# KiCad board Panel2.kicad_pcb (continued)
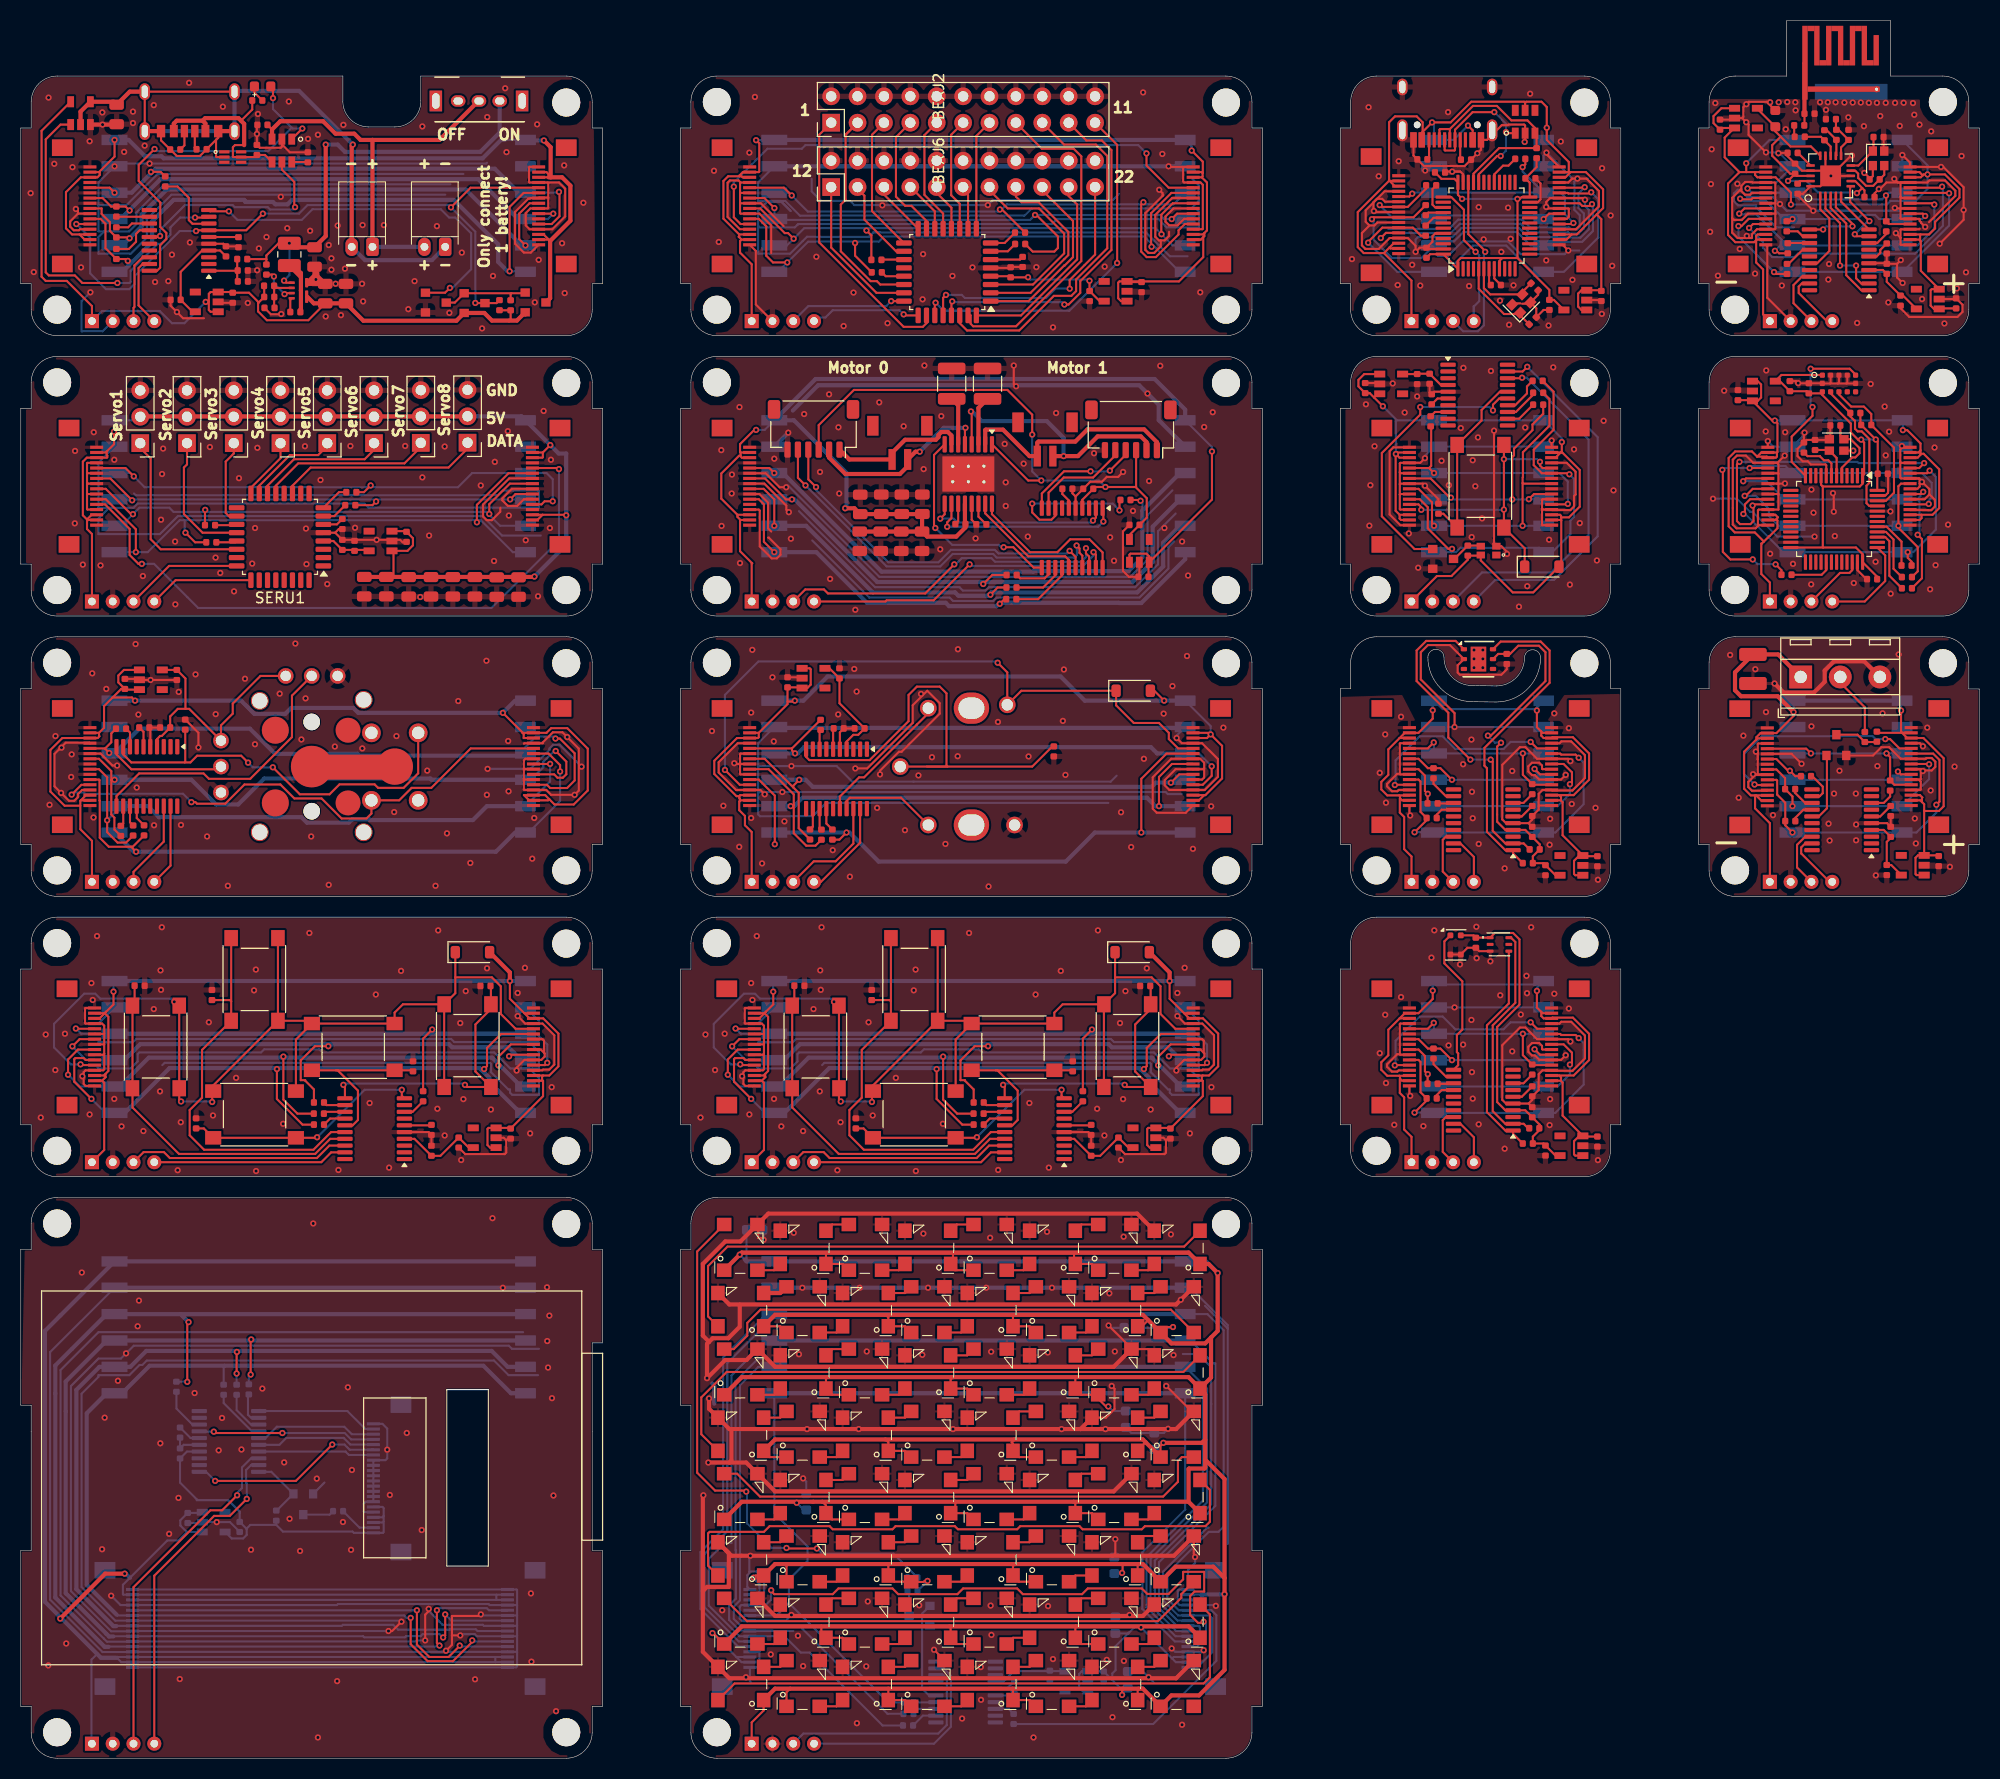
[diagram p0: board, top side]
## Nets (continued)
SCR_S_MISO: SCRU3.10
SCR_S_MOSI: SCRJ3.2 SCRU3.11
SCR_S_SCK: SCRJ3.6 SCRU3.1
SCR_SCLK: SCRJ1.4 SCRJ2.3 SCRJ5.7 SCRJ6.7 SCRR3.2
SCR_SWDCLK: SCRJ4.4 SCRU3.19
SCR_SWDIO: SCRJ4.3 SCRU3.18
SCR_TE: SCRJ3.4 SCRU3.7
SCR_unconnected-(U2-NC-Pad4): SCRU2.4
SCR_VDD: SCRC2.1 SCRC9.1 SCRJ3.17 SCRJ3.19 SCRJ3.20 SCRJ3.22 SCRR7.2 SCRU2.5 SCRU3.4
SER_5V: SERC5.1 SERC6.1 SERC7.1 SERC8.1 SERC10.1 SERC11.1 SERC12.1 SERC13.1 SERC14.1 SERJ1.1 SERJ2.2 SERJ3.6 SERJ4.1 SERJ5.2 SERJ6.2 SERJ7.2 SERJ8.2 SERJ9.2 SERJ10.2 SERJ11.2 SERJ12.2 SERJ12.3 SERJ12.14 SERJ12.15 SERJ13.2 SERJ13.3 SERJ13.14 SERJ13.15 SERU2.1 SERU2.3
SER_GND: SERC3.2 SERC4.2 SERC5.2 SERC6.2 SERC7.2 SERC8.2 SERC9.2 SERC10.2 SERC11.2 SERC12.2 SERC13.2 SERC14.2 SERJ1.2 SERJ2.3 SERJ3.5 SERJ4.2 SERJ5.3 SERJ6.3 SERJ7.3 SERJ8.3 SERJ9.3 SERJ10.3 SERJ11.3 SERJ12.1 SERJ12.4 SERJ12.6 SERJ12.8 SERJ12.10 SERJ12.13 SERJ12.16 SERJ13.1 SERJ13.4 SERJ13.6 SERJ13.8 SERJ13.10 SERJ13.13 SERJ13.16 SERU1.5 SERU2.2
SER_Interrupt5V: SERJ12.12 SERJ13.12
SER_MISO: SERJ1.5 SERJ3.2 SERJ12.9 SERJ13.9 SERR7.2
SER_MOSI: SERJ1.6 SERJ3.1 SERJ12.11 SERJ13.11 SERR8.2
SER_Net-(U1-NRST): SERC4.1 SERU1.6
SER_Net-(U1-PA0): SERR5.1 SERU1.7
SER_Net-(U1-PA1): SERR6.1 SERU1.8
SER_Net-(U1-PA9/NC): SERR7.1 SERU1.19
SER_Net-(U1-PA10/NC): SERR8.1 SERU1.21
SER_PS: SERJ1.3 SERJ3.4 SERJ12.5 SERJ13.5 SERR6.2
SER_PWM1: SERJ2.1 SERU1.22
SER_PWM2: SERJ5.1 SERU1.20
SER_PWM3: SERJ6.1 SERU1.18
SER_PWM4: SERJ7.1 SERU1.16
SER_PWM5: SERJ8.1 SERU1.15
SER_PWM6: SERJ9.1 SERU1.14
SER_PWM7: SERJ10.1 SERU1.13
SER_PWM8: SERJ11.1 SERU1.11
SER_PWM9: SERU1.27
SER_PWM10: SERU1.30
SER_SCLK: SERJ1.4 SERJ3.3 SERJ12.7 SERJ13.7 SERR5.2
SER_SWDCLK: SERJ4.4 SERU1.25
SER_SWDIO: SERJ4.3 SERU1.24
SER_unconnected-(U1-PA2-Pad9): SERU1.9
SER_unconnected-(U1-PA3-Pad10): SERU1.10
SER_unconnected-(U1-PA5-Pad12): SERU1.12
SER_unconnected-(U1-PA12/PA10-Pad23): SERU1.23
SER_unconnected-(U1-PA15-Pad26): SERU1.26
SER_unconnected-(U1-PB2-Pad17): SERU1.17
SER_unconnected-(U1-PB4-Pad28): SERU1.28
SER_unconnected-(U1-PB5-Pad29): SERU1.29
SER_unconnected-(U1-PB7-Pad31): SERU1.31
SER_unconnected-(U1-PB8-Pad32): SERU1.32
SER_unconnected-(U1-PB9-Pad1): SERU1.1
SER_unconnected-(U1-PC14-Pad2): SERU1.2
SER_unconnected-(U1-PC15-Pad3): SERU1.3
SER_unconnected-(U2-NC-Pad4): SERU2.4
SER_VDD: SERC3.1 SERC9.1 SERU1.4 SERU2.5
TMP_5V: TMPC8.1 TMPJ1.1 TMPJ2.6 TMPJ3.2 TMPJ3.3 TMPJ3.14 TMPJ3.15 TMPJ4.1 TMPJ5.2 TMPJ5.3 TMPJ5.14 TMPJ5.15 TMPU2.1 TMPU2.3
TMP_/DAP: TMPU1.7
TMP_GND: TMPC1.2 TMPC2.2 TMPC3.2 TMPC8.2 TMPC9.2 TMPJ1.2 TMPJ2.5 TMPJ3.1 TMPJ3.4 TMPJ3.6 TMPJ3.8 TMPJ3.10 TMPJ3.13 TMPJ3.16 TMPJ4.2 TMPJ5.1 TMPJ5.4 TMPJ5.6 TMPJ5.8 TMPJ5.10 TMPJ5.13 TMPJ5.16 TMPU1.2 TMPU2.2 TMPU3.5
TMP_Interrupt5V: TMPJ3.12 TMPJ5.12
TMP_MISO: TMPJ1.5 TMPJ2.2 TMPJ3.9 TMPJ5.9 TMPR4.2
TMP_MOSI: TMPJ1.6 TMPJ2.1 TMPJ3.11 TMPJ5.11 TMPR2.2
TMP_Net-(U3-NRST): TMPC1.1 TMPU3.6
TMP_Net-(U3-PA1): TMPR1.1 TMPU3.8
TMP_Net-(U3-PA5): TMPR3.1 TMPU3.12
TMP_Net-(U3-PA6): TMPR4.1 TMPU3.13
TMP_Net-(U3-PA7): TMPR2.1 TMPU3.14
TMP_PS: TMPJ1.3 TMPJ2.4 TMPJ3.5 TMPJ5.5 TMPR1.2
TMP_SCL: TMPR6.2 TMPU1.6 TMPU3.1
TMP_SCLK: TMPJ1.4 TMPJ2.3 TMPJ3.7 TMPJ5.7 TMPR3.2
TMP_SDA: TMPR5.2 TMPU1.1 TMPU3.2
TMP_SWDCLK: TMPJ4.4 TMPU3.19
TMP_SWDIO: TMPJ4.3 TMPU3.18
TMP_unconnected-(U1-NC-Pad3): TMPU1.3
TMP_unconnected-(U1-NC-Pad4): TMPU1.4
TMP_unconnected-(U2-NC-Pad4): TMPU2.4
TMP_unconnected-(U3-PA0-Pad7): TMPU3.7
TMP_unconnected-(U3-PA2-Pad9): TMPU3.9
TMP_unconnected-(U3-PA3-Pad10): TMPU3.10
TMP_unconnected-(U3-PA4-Pad11): TMPU3.11
TMP_unconnected-(U3-PA11/PA9-Pad16): TMPU3.16
TMP_unconnected-(U3-PA12/PA10-Pad17): TMPU3.17
TMP_unconnected-(U3-PB0/PB1/PB2/PA8-Pad15): TMPU3.15
TMP_unconnected-(U3-PB3/PB4/PB5/PB6-Pad20): TMPU3.20
TMP_unconnected-(U3-PC15-Pad3): TMPU3.3
TMP_VDD: TMPC2.1 TMPC3.1 TMPC9.1 TMPR5.1 TMPR6.1 TMPU1.5 TMPU2.5 TMPU3.4
USB_5V: USBC8.1 USBIC1.5 USBJ1.1 USBJ2.A4 USBJ2.A9 USBJ2.B4 USBJ2.B9 USBJ3.6 USBJ4.1 USBJ5.2 USBJ5.3 USBJ5.14 USBJ5.15 USBJ6.2 USBJ6.3 USBJ6.14 USBJ6.15 USBU2.1 USBU2.3
USB_GND: USBC1.2 USBC2.2 USBC4.1 USBC5.2 USBC6.1 USBC7.1 USBC8.2 USBC9.2 USBIC1.2 USBJ1.2 USBJ2.A1 USBJ2.A12 USBJ2.B1 USBJ2.B12 USBJ2.S1 USBJ3.5 USBJ4.2 USBJ5.1 USBJ5.4 USBJ5.6 USBJ5.8 USBJ5.10 USBJ5.13 USBJ5.16 USBJ6.1 USBJ6.4 USBJ6.6 USBJ6.8 USBJ6.10 USBJ6.13 USBJ6.16 USBR1.2 USBR2.1 USBU1.8 USBU1.23 USBU1.35 USBU1.44 USBU1.47 USBU2.2 USBY2.2 USBY2.4
USB_Interrupt5V: USBJ5.12 USBJ6.12
USB_MISO: USBJ1.5 USBJ3.2 USBJ5.9 USBJ6.9 USBR6.2
USB_MISO_UC: USBR6.1 USBU1.40
USB_MOSI: USBJ1.6 USBJ3.1 USBJ5.11 USBJ6.11 USBR4.2
USB_MOSI_UC: USBR4.1 USBU1.41
USB_Net-(J2-CC1): USBJ2.A5 USBR1.1
USB_Net-(J2-CC2): USBJ2.B5 USBR2.2
USB_Net-(U1-NRST): USBC4.2 USBU1.7
USB_OSC_IN: USBC6.2 USBU1.5 USBY2.1
USB_OSC_OUT: USBC7.2 USBU1.6 USBY2.3
USB_PS: USBJ1.3 USBJ3.4 USBJ5.5 USBJ6.5 USBR5.2
USB_PS_UC: USBR5.1 USBU1.29
USB_SCLK: USBJ1.4 USBJ3.3 USBJ5.7 USBJ6.7 USBR7.2
USB_SCLK_UC: USBR7.1 USBU1.39
USB_SWDCLK: USBJ4.4 USBU1.37
USB_SWDIO: USBJ4.3 USBU1.34
USB_unconnected-(IC1-I/04-Pad6): USBIC1.6
USB_unconnected-(IC1-I/O3-Pad4): USBIC1.4
USB_unconnected-(J2-SBU1-PadA8): USBJ2.A8
USB_unconnected-(J2-SBU2-PadB8): USBJ2.B8
USB_unconnected-(U1-PA0-Pad10): USBU1.10
USB_unconnected-(U1-PA1-Pad11): USBU1.11
USB_unconnected-(U1-PA2-Pad12): USBU1.12
USB_unconnected-(U1-PA3-Pad13): USBU1.13
USB_unconnected-(U1-PA4-Pad14): USBU1.14
USB_unconnected-(U1-PA5-Pad15): USBU1.15
USB_unconnected-(U1-PA6-Pad16): USBU1.16
USB_unconnected-(U1-PA7-Pad17): USBU1.17
USB_unconnected-(U1-PA9-Pad30): USBU1.30
USB_unconnected-(U1-PA10-Pad31): USBU1.31
USB_unconnected-(U1-PA15-Pad38): USBU1.38
USB_unconnected-(U1-PB0-Pad18): USBU1.18
USB_unconnected-(U1-PB1-Pad19): USBU1.19
USB_unconnected-(U1-PB2-Pad20): USBU1.20
USB_unconnected-(U1-PB6-Pad42): USBU1.42
USB_unconnected-(U1-PB7-Pad43): USBU1.43
USB_unconnected-(U1-PB8-Pad45): USBU1.45
USB_unconnected-(U1-PB9-Pad46): USBU1.46
USB_unconnected-(U1-PB10-Pad21): USBU1.21
USB_unconnected-(U1-PB11-Pad22): USBU1.22
USB_unconnected-(U1-PB12-Pad25): USBU1.25
USB_unconnected-(U1-PB13-Pad26): USBU1.26
USB_unconnected-(U1-PB14-Pad27): USBU1.27
USB_unconnected-(U1-PB15-Pad28): USBU1.28
USB_unconnected-(U1-PC13-Pad2): USBU1.2
USB_unconnected-(U1-PC14-Pad3): USBU1.3
USB_unconnected-(U1-PC15-Pad4): USBU1.4
USB_unconnected-(U2-NC-Pad4): USBU2.4
USB_USB_D+: USBIC1.3 USBJ2.A6 USBJ2.B6 USBR12.1 USBU1.33
USB_USB_D-: USBIC1.1 USBJ2.A7 USBJ2.B7 USBU1.32
USB_VDD: USBC1.1 USBC2.1 USBC5.1 USBC9.1 USBR12.2 USBU1.1 USBU1.9 USBU1.24 USBU1.36 USBU1.48 USBU2.5
WIR_5V: WIRC8.1 WIRC11.1 WIRJ1.1 WIRJ2.6 WIRJ3.2 WIRJ3.3 WIRJ3.14 WIRJ3.15 WIRJ4.1 WIRJ5.2 WIRJ5.3 WIRJ5.14 WIRJ5.15 WIRU1.1 WIRU1.3 WIRU2.1 WIRU2.3
WIR_GND: WIRAE1.2 WIRC1.2 WIRC2.2 WIRC3.2 WIRC4.2 WIRC5.2 WIRC6.2 WIRC7.2 WIRC8.2 WIRC9.2 WIRC11.2 WIRC12.2 WIRC13.2 WIRC14.2 WIRC15.2 WIRJ1.2 WIRJ2.5 WIRJ3.1 WIRJ3.4 WIRJ3.6 WIRJ3.8 WIRJ3.10 WIRJ3.13 WIRJ3.16 WIRJ4.2 WIRJ5.1 WIRJ5.4 WIRJ5.6 WIRJ5.8 WIRJ5.10 WIRJ5.13 WIRJ5.16 WIRR6.1 WIRU1.2 WIRU2.2 WIRU3.5 WIRU4.8 WIRU4.14 WIRU4.17 WIRU4.20 WIRU4.21 WIRY2.2 WIRY2.4
WIR_Interrupt5V: WIRJ3.12 WIRJ5.12
WIR_MISO: WIRJ1.5 WIRJ2.2 WIRJ3.9 WIRJ5.9 WIRR4.2
WIR_MOSI: WIRJ1.6 WIRJ2.1 WIRJ3.11 WIRJ5.11 WIRR2.2
WIR_Net-(AE1-A): WIRAE1.1 WIRC7.1 WIRC10.2
WIR_Net-(C10-Pad1): WIRC10.1 WIRL3.1
WIR_Net-(U3-NRST): WIRC1.1 WIRU3.6
WIR_Net-(U3-PA1): WIRR1.1 WIRU3.8
WIR_Net-(U3-PA5): WIRR3.1 WIRU3.12
WIR_Net-(U3-PA6): WIRR4.1 WIRU3.13
WIR_Net-(U3-PA7): WIRR2.1 WIRU3.14
WIR_Net-(U4-ANT1): WIRL1.1 WIRL4.2 WIRU4.12
WIR_Net-(U4-ANT2): WIRL1.2 WIRL3.2 WIRU4.13
WIR_Net-(U4-DVDD): WIRC3.1 WIRU4.19
WIR_Net-(U4-IREF): WIRR6.2 WIRU4.16
WIR_Net-(U4-VDD_PA): WIRC4.1 WIRC14.1 WIRL4.1 WIRU4.11
WIR_PS: WIRJ1.3 WIRJ2.4 WIRJ3.5 WIRJ5.5 WIRR1.2
WIR_SCLK: WIRJ1.4 WIRJ2.3 WIRJ3.7 WIRJ5.7 WIRR3.2
WIR_SWDCLK: WIRJ4.4 WIRU3.19
WIR_SWDIO: WIRJ4.3 WIRU3.18
WIR_unconnected-(U1-NC-Pad4): WIRU1.4
WIR_unconnected-(U2-NC-Pad4): WIRU2.4
WIR_unconnected-(U3-PA0-Pad7): WIRU3.7
WIR_unconnected-(U3-PA12/PA10-Pad17): WIRU3.17
WIR_unconnected-(U3-PB0/PB1/PB2/PA8-Pad15): WIRU3.15
WIR_unconnected-(U3-PB3/PB4/PB5/PB6-Pad20): WIRU3.20
WIR_unconnected-(U3-PC15-Pad3): WIRU3.3
WIR_VDD: WIRC2.1 WIRC12.1 WIRU2.5 WIRU3.4
WIR_VDD_NRF: WIRC9.1 WIRC13.1 WIRC15.1 WIRU1.5 WIRU4.7 WIRU4.15 WIRU4.18
WIR_W_CSN: WIRU3.2 WIRU4.2
WIR_W_Enable: WIRU3.16 WIRU4.1
WIR_W_INT: WIRU3.9 WIRU4.6
WIR_W_MISO: WIRU3.10 WIRU4.5
WIR_W_MOSI: WIRU3.11 WIRU4.4
WIR_W_SCK: WIRU3.1 WIRU4.3
WIR_XC13: WIRC5.1 WIRU4.10 WIRY2.1
WIR_XC23: WIRC6.1 WIRU4.9 WIRY2.3

Pads without a net: DIASW7 1 2; MOTJ2 MP; MOTJ6 MP; MOTJ8 0; MOTJ9 0; SCRJ3 A B

## Via types
v1: diameter 0.6, hole 0.3, Top to Bottom, 1104 vias

## Routing (per net, layer and track width the routed paths; a pad name or vN(x,y) marks a point on that pad's centre or on a via; arc(x,y) is an arc through that point)
BAT_5V: length 82.2
  Top w0.2: BATJ3.15 50.6,152.75 50.8,152.55 50.8,152.25 BATJ3.14 ; BATJ3.3 50.32,146.75 50.95,146.12 50.82,146.25 BATJ3.2 ; 5.65,146.75 4.93,146.75 4.35,147.33 4.35,150.82 5.78,152.25 BATJ1.3 7.38,152.25 7.6,152.47 7.6,152.68 7.53,152.75 ; 5.65,146.75 6.15,146.25 BATJ1.15 ; 5.65,146.75 BATJ1.14 ; v1(9.03,155.85) 9.03,154.25 7.53,152.75 ; BATJ1.2 7.53,152.75
  Top w0.4: 50.6,140.2 BATQ6.3 50.95,140.6 50.95,146.12 52.9,148.07 52.9,151.45 52.1,152.25 51,152.25 ; 51,152.25 51,155.15 v1(50.35,155.8) ; 51,152.25 50.8,152.25
  Bottom w0.2: 46.58,155.85 48.58,155.85
  Bottom w0.4: 48.58,155.85 48.62,155.8 v1(50.35,155.8) ; v1(9.03,155.85) 10.39,155.85 11.96,154.28 13.55,154.28 13.75,154.07 44.45,154.07 46.23,155.85 46.58,155.85
BAT_/USB_5V: length 19.7
  Top w0.2: 21.2,157.7 22.28,158.78 BATR16.1 ; 21.5,155.35 20.61,155.35 20.41,155.15 20.41,154.25 20.46,154.2 BATIC1.5 22.52,154.2 BATC13.1 23.51,154.4 BATU8.4
  Top w0.4: BATJ2.A9 14.73,157.43 15,157.7 17.5,157.7 ; 21.5,155.35 21.5,157.4 20.95,157.95 17.75,157.95 17.5,157.7 ; 17.5,157.7 17.77,157.43 BATJ2.B9
BAT_BATTERY_CURRENT: length 35.6
  Top w0.2: v1(9.3,142.07) 5.92,142.07 5.2,142.8 2.7,142.8 2.4,143.1 2.4,155.9 3.83,157.32 BATU6.1 ; v1(16.77,148.38) 18.02,148.38 BATU3.9
  Bottom w0.2: v1(9.3,142.07) 10.47,142.07 10.57,142.18 10.57,143.24 13.18,145.85 13.51,145.85 14.4,146.74 14.4,147.43 15.35,148.38 v1(16.77,148.38)
BAT_CHRG: length 36.1
  Top w0.2: v1(12.88,154.97) 11.35,153.45 11.35,151.9 13.44,149.81 13.43,149.8 13.43,147.47 14.01,146.89 14.01,146.3 13.41,145.7 13.41,143.55 13.11,143.25 BATU3.20 ; 26.08,155.93 26.08,155.93 v1(27.1,156.95) ; BATD2.1 24.27,160.79 v1(24.27,159.88)
  Bottom w0.2: v1(12.88,154.97) 13.07,154.78 23.82,154.78 26.07,157.03 ; 26.07,157.03 26.15,156.95 v1(27.1,156.95) ; 26.07,157.03 24.27,158.82 v1(24.27,159.88)
BAT_ENABLE_5V: length 35.8
  Top w0.2: v1(41.3,141.6) 40.84,141.13 38.95,141.13 ; v1(20.02,148.97) 18.23,148.97 BATU3.10
  Bottom w0.2: v1(41.3,141.6) 41.55,141.6 43.35,143.4 43.35,146.84 41.82,148.38 41.23,148.38 40.42,149.18 28.07,149.18 27.05,148.15 20.85,148.15 v1(20.02,148.97)
BAT_GND: length 225.1
  Top w0.2: v1(5.3,149.2) 5.5,149 5.5,148.75 ; 50.7,151.75 50.77,151.68 50.77,150.28 ; 50.7,151.75 51.8,151.75 52.4,151.15 52.4,148.49 51.16,147.25 BATJ3.4 48.97,147.25 48.6,147.62 48.6,148.8 49.05,149.25 BATJ3.8 50.72,149.25 50.77,149.3 50.77,150.28 ; 50.7,151.75 BATJ3.13 48.97,151.75 48.92,151.8 48.92,153.2 48.97,153.25 BATJ3.16 ; 25.13,155.42 25.13,155.93 25.13,155.42 ; 25.13,155.42 25.89,154.66 BATR17.2 ; 25.13,155.42 25.13,155.19 25.03,155.09 23,155.09 BATC13.2 v1(22.73,156.43) 22.73,157.25 BATC14.2 ; 50.77,150.28 50.75,150.3 49.9,150.3 BATJ3.10 49.05,150.25 49,150.2 48.85,150.2 47.58,148.92 47.58,145.84 48.42,145 49.09,145 BATJ3.1 ; BATC8.2 19.09,140.16 ; BATU3.5 19.5,145.85 BATC2.2 20.86,145.6 BATC1.2 ; 17.63,138.68 15.62,138.68 v1(15.03,139.28) 14.41,139.88 BATC9.2 ; BATR10.2 24.07,139.06 25.04,139.06 v1(25.07,139.09) ; 5.5,148.75 BATJ1.10 ; 5.5,148.75 4.75,148 4.75,147.5 5.1,147.15 5.6,147.15 5.7,147.25 BATJ1.13
  Top w0.4: 28.54,143.03 28.54,142.75 BATC11.2 ; BATC11.2 28.43,141.99 ; BATC11.2 28.43,141.99 ; BATC5.2 28.27,142.81 27.57,142.1 27.68,141.99 28.43,141.99 ; 28.43,141.99 28.11,142.3 28.29,142.47 28.36,142.47 ; BATU6.3 v1(7.88,157.32) 9.19,157.32 BATR13.2 ; 28.54,142.28 v1(28.41,142.41) 28.36,142.45
  Bottom w0.2: 25.15,150.57 14.5,150.57 12.12,148.2 12.12,146.44 10.57,144.89 7.47,144.89 7.47,146.49 8.04,147.05 7.47,147.05 7.47,149.57 ; 25.15,150.57 40.86,150.57 ; 25.15,150.57 25.15,150.5 v1(25.02,150.38) ; 7.47,149.57 7.47,151.76 v1(9.03,153.31) 9.29,153.57 v1(12.4,153.57) 44.8,153.57 44.88,153.65 ; 7.47,149.57 10.18,149.57 13.18,152.57 42.6,152.57 ; 41.35,151.57 13.84,151.57 11.12,148.86 11.12,147.75 10.43,147.05 8.3,147.05 ; v1(6.7,141.18) 5.85,140.32 5.85,137.45 5.88,137.43 7.88,137.43 BATJ4.2
  vias: v1(0.95,150.72) v1(1.25,143.12) v1(2.67,159.93) v1(3.23,153.55) v1(4.97,153.22) v1(5.8,143.57) v1(6.62,155.72) v1(7.85,158.5) v1(9.95,154.7) v1(10.8,158.57) v1(10.8,157.47) v1(11.93,155.3) v1(12.8,159.2) v1(12.93,142.18) v1(14.2,142.25) v1(14.55,144.8) v1(16.2,161.35) v1(16.27,145.97) v1(19.45,159.05) v1(21.85,140.15) v1(22.82,158.35) v1(22.75,143.3) v1(22.91,145.4) v1(23.65,146.5) v1(25.65,147.35) v1(25.8,159.55) v1(27.65,155.95) v1(27.85,147.1) v1(28.6,156.35) v1(29.35,138.85) v1(29.64,145.72) v1(29.9,144.45) v1(29.9,143.35) v1(30.3,142) v1(30.5,147.6) v1(30.82,138.97) v1(31.05,157.3) v1(31.2,143.45) v1(32.9,147.65) v1(32.85,142) v1(32.95,140.3) v1(34.95,147.65) v1(37.3,139.55) v1(37.9,142.25) v1(38.65,157.15) v1(40.05,147.55) v1(41.25,139.2) v1(42.45,145) v1(44.4,137.7) v1(44.9,158.05) v1(45.45,142.75) v1(46.62,160.82) v1(46.75,154.68) v1(49.48,140.21) v1(49.7,157.35) v1(49.85,144.3) v1(52.1,145.9) v1(52.3,153.4) v1(52.35,141.1) v1(54.15,149.8)
BAT_INT_5V: length 82.8
  Top w0.2: BATU6.5 2,156.72 2,142.68 2.4,142.28 4.42,142.28 6.85,139.85 BATJ4.1 ; 31.04,139.85 BATC10.1 31.71,139.7 ; 18.1,140.3 18.05,140.25 v1(17.8,140.25) ; 18.1,140.3 18.1,139.47 18.27,139.3 BATU2.1 ; 18.1,140.3 18.1,141.03 18.27,141.2 BATU2.3 20.34,141.2 20.4,141.13 21.96,141.13 22.9,140.2 ; 47,138.45 47.15,138.6 BATR19.1 46.09,139.44 BATR20.1 ; 27.57,140.75 27.52,140.75 ; 22.9,140.2 22.84,140.13 22.84,139.33 23.69,138.49 27.67,138.49 BATC11.1 ; 22.9,140.2 BATR9.1 23.43,141.78 BATC7.1
  Top w0.4: 27.57,140.75 28.2,140.11 BATC11.1 BATC10.1 32.98,138.44 41.92,138.44 42.67,139.19 44.62,139.19 45.35,138.45 47.75,138.45 BATQ6.2 48.55,139.03
  Bottom w0.2: BATJ4.1 7.83,139.38 13.38,139.38 14.55,138.2 15.75,138.2 v1(17.8,140.25)
BAT_Interrupt5V: length 67.7
  Top w0.2: v1(16.88,147.07) 16.95,147.15 BATU3.7 21.7,147.15 v1(23.3,148.75) ; BATJ3.12 43.3,151.25 v1(41.41,149.36) ; v1(5.35,147.75) BATJ1.12 ; BATR20.2 45.79,140.13 BATQ2.3 43.77,140.13 v1(43.75,140.15)
  Bottom w0.2: v1(43.75,140.15) 43.75,147.01 v1(41.41,149.36) 41.19,149.57 27.6,149.57 26.77,148.75 v1(23.3,148.75) ; v1(5.35,147.75) 6.67,146.43 6.67,143 8.2,141.47 10.44,141.47 10.97,142.01 10.97,142.75 15.3,147.07 v1(16.88,147.07)
BAT_MISO: length 56.1
  Top w0.2: v1(10.47,146.38) 10.38,146.47 BATR4.2 8.58,147.09 8.58,147.93 7.78,148.73 7.78,149.25 BATJ1.9 ; BATJ3.9 48.97,149.75 47.98,148.75 47.98,146.29 v1(48.58,145.69)
  Bottom w0.4: BATJ7.5 9.78,145.69 v1(10.47,146.38) 11.62,147.54 11.62,148.65 14.05,151.07 42.83,151.07 48.21,145.69 v1(48.58,145.69)
BAT_MOSI: length 64.6
  Top w0.2: BATJ3.11 48.4,150.75 47.05,149.4 v1(47.05,143.2) ; BATJ1.11 7.67,148.25 8.15,147.78 8.15,145.43 BATR2.2 10.12,144.38 v1(10.3,144.2)
  Bottom w0.2: 10.34,143.71 10.3,143.75 v1(10.3,144.2) ; 48.58,143.15 48.52,143.2 v1(47.05,143.2)
  Bottom w0.4: v1(47.05,143.2) 46.85,143.2 45.95,144.1 45.95,145.8 41.67,150.07 26.1,150.07 25.68,149.65 24.5,149.65 24.27,149.88 21.62,149.88 21.6,149.9 21.6,149.97 21.5,150.07 14.71,150.07 12.65,148.02 12.65,146.03 9.78,143.15 BATJ7.6
BAT_Net-(D2-A): length 1.7
  Top w0.2: BATD2.2 22.49,160.41 BATR16.2
BAT_Net-(J2-CC1): length 1.8
  Top w0.2: BATR12.1 16.75,155.12 BATJ2.A5
BAT_Net-(J2-CC2): length 1.9
  Top w0.2: BATR11.1 15.75,155.32 BATJ2.B5
BAT_Net-(Q2-G): length 8.7
  Top w0.2: 47.23,141.09 48.48,141.09 BATQ6.1 ; 47.23,141.09 BATQ2.1 41.77,140.19 BATQ5.3 ; 47.23,141.09 47.15,141.01 BATR19.2
BAT_Net-(SW1-B): length 39.4
  Top w0.2: 24.18,156.85 23.75,157.29 BATC14.1
  Top w0.4: 33.85,155.85 32.7,155.85 32.1,156.45 30.3,156.45 29.1,157.65 24.98,157.65 24.18,156.85 24.18,155.93 ; 33.85,155.85 40.3,155.85 44.1,159.65 ; 33.85,155.85 BATJ5.1
  Bottom w0.4: BATJ5.1 BATJ8.2
BAT_Net-(U3-NRST): length 2.9
  Top w0.2: BATC1.1 20.93,146.5 BATU3.6
BAT_Net-(U3-PA1): length 7
  Top w0.2: 18.12,147.78 BATU3.8 18,147.8 17.98,147.78 16.53,147.78 16.18,148.13 16.18,150.28 15.09,151.37 BATR1.1
BAT_Net-(U3-PA5): length 3.2
  Top w0.2: BATU3.12 9.21,148.45 BATR3.1
BAT_Net-(U3-PA6): length 3.3
  Top w0.2: BATU3.13 10.7,147.8 10.34,147.44 9.2,147.44
BAT_Net-(U3-PA7): length 4.4
  Top w0.2: BATU3.14 11.45,147.15 11.1,146.8 11.1,146.04 10.4,145.35 BATR2.1
BAT_Net-(U5-CBST): length 1.4
  Top w0.2: BATC6.2 25.94,140.47 BATU5.1
BAT_Net-(U5-EN): length 3.7
  Top w0.2: BATU5.2 25.49,141.1 v1(25.39,141) ; BATR18.2 24.18,142.88 v1(24.36,142.7)
  Bottom w0.2: v1(25.39,141) 24.36,142.02 v1(24.36,142.7)
BAT_Net-(U5-FB): length 3.9
  Top w0.2: 24.39,140.74 BATR9.2 ; 24.39,140.74 BATC7.2 24.59,141.6 BATU5.3 ; 24.39,140.74 24.39,139.72 BATR10.1
BAT_Net-(U5-SW): length 5.5
  Top w0.2: BATC6.1 26.94,139.3 26.94,139.53 ; 26.96,141.34 26.98,141.35 26.96,141.36
  Top w0.4: 26.96,142.63 26.96,143.03 26.86,143.12 ; 26.96,142.63 26.96,141.36 ; 26.96,142.63 BATL1.1 ; 26.96,141.35 26.96,139.56 26.91,139.5
BAT_Net-(U8-PROG): length 1.6
  Top w0.2: BATR17.1 27.6,153.72 BATU8.6
BAT_PS: length 53.7
  Top w0.2: BATJ3.5 51.1,147.75 51.85,148.5 51.85,150.8 v1(51.8,150.85) ; v1(12.53,152.77) 13.46,152.77 13.9,152.34 ; v1(9.03,150.77) 8.54,151.25 BATJ1.5
  Bottom w0.2: 48.58,150.77 51.72,150.77 v1(51.8,150.85) ; 12.53,152.63 v1(12.53,152.77)
  Bottom w0.4: 48.58,150.77 47.93,150.77 45.62,153.07 12.97,153.07 10.67,150.77 v1(9.03,150.77)
BAT_REAL_GND: length 81.1
  Top w0.2: 18.8,155.86 19,156.06 ; 18.8,155.86 19,156.06 ; 18.8,155.86 18.8,154.25 18.84,154.2 BATIC1.2 ; 18.8,155.86 BATR12.2 17.24,154.31 15.01,154.31 14.39,154.93 BATR11.2 13.5,155.81 BATJ2.A12 ; 19,156.06 BATJ2.B12 ; BATJ2.S1 BATJ2.S1 BATJ2.S1
  Top w0.4: BATJ2.S1 10.49,160.5 BATR13.1 8.94,159.53 BATU6.4 5.75,158.57 BATU6.2 ; v1(31.96,155.4) 31.85,155.29 BATJ5.2 ; BATJ2.B12 BATJ2.S1 ; BATJ2.A12 BATJ2.S1
  Bottom w0.4: v1(31.96,155.4) 26.79,160.57 20.64,160.57 BATJ2.S1 BATJ2.S1 BATJ2.S1 ; BATJ5.2 33.12,144.28 39.58,144.28 BATJ8.1
BAT_SCLK: length 51.7
  Top w0.2: BATJ1.7 7.88,150.25 8.7,149.44 10.09,149.44 v1(10.47,149.05) ; BATJ3.7 v1(51.25,148.75)
  Bottom w0.2: v1(10.47,149.05) 10.22,148.8 10.18,148.8 ; 48.58,148.23 50.73,148.23 v1(51.25,148.75)
  Bottom w0.4: BATJ7.4 9.61,148.23 13.45,152.07 44.02,152.07 47.87,148.23 48.58,148.23
BAT_STBY: length 20.8
  Top w0.2: v1(13.41,146.6) 13.31,146.5 BATU3.15 ; v1(26.4,149.38) 26.32,149.45 26.32,151.8 25.13,153 BATU8.5
  Bottom w0.2: v1(26.4,149.38) 26.4,149.35 26.2,149.15 24,149.15 23.77,149.38 20.6,149.38 20.4,149.57 15.8,149.57 13.41,147.18 v1(13.41,146.6)
BAT_SWDCLK: length 6.9
  Top w0.2: BATU3.19 11.72,143.9 11.34,143.52 11.34,139.91 BATJ4.4
BAT_SWDIO: length 7.2
  Top w0.2: BATJ4.3 10.85,139.68 10.94,139.76 10.94,143.77 11.72,144.55 BATU3.18
BAT_SWITCHED_VBAT: length 43.9
  Top w0.2: v1(25.85,145.9) 24.82,145.9 23.64,144.72 23.64,144.35 ; BATR14.1 23.61,144.38 23.64,144.35 ; 23.64,144.35 BATR18.1 ; BATU5.4 25.54,142.1 v1(25.34,142.3)
  Top w0.4: v1(25.85,145.9) 26.24,145.51 BATC5.1 29.35,146.59 v1(29.35,155.4)
  Bottom w0.2: v1(25.34,142.3) 25.85,142.81 v1(25.85,145.9)
  Bottom w0.4: v1(29.35,155.4) 30.5,155.4 31.2,154.7 44.23,154.7 46.1,156.57 46.1,159.65
BAT_VBAT_REF: length 5.1
  Top w0.2: 20.86,143.25 20.86,143.17 20.83,143.15 ; 20.86,143.25 BATU3.1 ; 20.86,143.25 BATC3.1 ; BATR15.1 20.83,142.28 20.83,143.15 ; BATR14.2 20.83,143.15
BAT_VDD: length 10.1
  Top w0.2: 19.78,144.6 BATC2.1 19.18,145.2 BATU3.4 17.44,145.2 15.38,143.14 BATC9.1 16.54,139.3 BATU2.5
BEX_5V: length 95.4
  Top w0.2: 113.81,146.49 113.58,146.25 BEXJ7.2 ; 113.81,146.49 113.92,146.59 113.92,146.88 ; 113.81,146.49 113.81,144.56 111.47,142.22 BEXU2.3 ; 69.17,152.35 69.17,152.43 69.5,152.75 BEXJ5.2 71.03,152.75 71.08,152.8 71.08,155.52 v1(70.78,155.82) ; 69.17,152.35 69.38,152.35 69.47,152.25 BEXJ5.3 ; 69.17,152.35 68.08,152.35 67.63,151.9 67.63,148.27 69.15,146.75 ; 69.15,146.75 69.15,146.57 69.1,146.53 69.38,146.25 ; 69.15,146.75 BEXJ5.14 ; 113.67,152.25 114.17,151.75 114.17,147.13 113.92,146.88 ; 113.67,152.25 BEXJ7.14 ; 113.67,152.25 113.75,152.33 113.75,152.68 ; 113.92,146.88 113.79,146.75 BEXJ7.3 ; 113.75,152.68 113.77,152.69 113.77,153.75 v1(112.7,154.82) ; 113.75,152.68 113.67,152.75 BEXJ7.15 ; BEXU2.3 105.75,142.22 105.62,142.1 105.62,140.6 105.9,140.32 BEXU2.1 ; BEXU2.3 106.54,142.16 BEXC8.1 ; 69.38,146.25 69.23,146.1 69.23,145 70.35,143.88 BEXJ4.1 ; 69.38,146.25 BEXJ5.15
  Bottom w0.2: v1(70.78,155.82) 72.5,155.82 BEXJ1.1 ; BEXJ3.6 112.7,155.22 v1(112.7,154.82)
  Bottom w0.4: BEXJ1.1 BEXJ3.6
BEX_GND: length 291
  Top w0.2: BEXJ7.4 113.72,147.25 113.77,147.3 113.77,151.53 113.55,151.75 BEXJ7.13 111.97,151.75 111.88,151.84 111.88,153.18 111.95,153.25 ; BEXJ7.8 110.95,149.25 110.17,148.48 110.17,147.98 110.53,147.62 111.34,147.62 111.97,148.25 BEXJ7.6 ; 69.23,150.78 69.25,150.75 BEXJ5.6 ; 69.23,150.78 69.23,151.7 69.28,151.75 ; 69.23,150.78 69.23,149.75 ; 109.72,146.17 109.55,146.17 109.19,146.52 109.19,148.63 110.82,150.25 BEXJ7.10 ; 109.72,146.17 110.09,146.17 110.53,146.6 110.53,147 ; 109.72,146.17 109.72,145.6 109.09,144.96 108.54,144.96 108.24,145.26 108.24,148.8 109.89,150.46 ; 109.89,150.46 109.98,150.55 ; 109.89,150.46 109.89,150.73 v1(109.58,151.05) ; 69.28,151.75 69.08,151.95 68.25,151.95 68.03,151.73 68.03,148.43 69.21,147.25 BEXJ5.13 ; 69.28,151.75 BEXJ5.4 ; BEXJ7.16 111.95,153.25 ; 111.95,153.25 110.53,153.25 v1(110.47,153.31) ; BEXC3.2 95.31,143.62 BEXC4.2 95.22,143.53 BEXU1.5 ; BEXJ5.16 70.75,145.16 70.75,140 BEXJ4.2 ; 73.42,147.55 71.23,149.75 BEXJ5.8 69.23,149.75 ; 72.22,144.95 72.22,147.62 71.1,148.75 BEXJ5.10 69.28,148.75 69.23,148.8 69.23,149.75
  Bottom w0.2: 112.78,152.07 113.38,151.47 113.38,149.97 112.66,149.25 97.3,149.25 96.6,148.55 75,148.55 73.58,149.97 70.97,149.97 ; 112.3,144.65 110.6,144.65 108.3,146.95 82.07,146.95 81.65,146.53 75.68,146.53 74.04,144.89 70.97,144.89 70.97,147.55 ; 70.97,147.55 70.97,147.43 74.5,147.43 74.76,147.69 ; 70.97,147.55 70.97,149.03 71.83,149.89 73.22,149.89 74.1,149 73.14,149.97 70.97,149.97 ; 76.12,152.1 76.12,150.89 77.04,149.97 79.83,149.97 80.22,149.57 v1(93.08,149.57) 93.55,150.05 105.1,150.05 105.7,150.65 ; 113.17,149.18 113.4,148.95 113.4,147.46 113.38,147.43 110.28,147.43 109.49,148.22 99.72,148.22 99.25,147.75 74.83,147.75 74.76,147.69 ; 74.76,147.69 74.8,147.72 ; BEXJ1.2 70.97,151.76 70.97,149.97
  Bottom w0.4: BEXJ1.2 v1(110.47,153.31) BEXJ3.5
  vias: v1(66.72,152.88) v1(67.18,146.02) v1(70.12,154.62) v1(70.66,159.99) v1(76.58,144.6) v1(79.2,137.93) v1(80.15,141.15) v1(82.92,149.55) v1(83.42,138.2) v1(86.85,144.85) v1(86.8,140.5) v1(89.67,142.75) v1(91.6,143.57) v1(97.75,143.6) v1(99.35,137.8) v1(104.33,143.65) v1(108.03,160.43) v1(109.88,154.5) v1(113.53,141.18)
BEX_Interrupt5V: length 53.3
  Top w0.2: BEXJ7.12 110.48,151.25 108.35,153.38 v1(108.35,154.55) ; BEXJ5.12 69.28,147.75 68.63,148.4 v1(68.63,151.35)
  Bottom w0.2: v1(108.35,154.55) 108.38,154.53 107.55,155.35 75.53,155.35 75.17,155 71.86,155 68.63,151.76 v1(68.63,151.35)
BEX_MISO: length 55.2
  Top w0.2: v1(109.8,146.77) 109.78,146.79 109.78,148.64 110.88,149.75 BEXJ7.9 ; v1(74.39,146.34) 73.85,146.88 73.54,146.88 71.16,149.25 BEXJ5.9 ; BEXR6.2 81.87,146.66 v1(81.4,147.13)
  Bottom w0.2: v1(81.4,147.13) 81.18,147.35 81.1,147.35 ; BEXJ1.5 73.74,145.69 v1(74.39,146.34) 75.4,147.35 81.1,147.35 ; 81.1,147.35 109.22,147.35 v1(109.8,146.77) 110.88,145.69 BEXJ3.2
BEX_MOSI: length 60.9
  Top w0.2: v1(73.78,144.05) 72.4,144.05 71.75,144.7 71.75,147.53 71.03,148.25 BEXJ5.11 ; BEXR7.2 80.3,144.7 v1(80.3,145.93) ; v1(108.84,145.56) 108.8,145.61 108.8,148.8 110.75,150.75 BEXJ7.11
  Bottom w0.2: BEXJ3.1 111.53,143.15 108.13,146.55 83.08,146.55 82.58,146.05 75.78,146.05 v1(73.78,144.05) 72.88,143.15 ; 109.12,145.56 v1(108.84,145.56)
BEX_Net-(U1-NRST): length 3.2
  Top w0.2: BEXU1.6 96.17,144.32 BEXC3.1
BEX_Net-(U1-PA0): length 2.6
  Top w0.2: BEXR5.1 95,145.12 BEXU1.7
BEX_Net-(U1-PA1): length 2.8
  Top w0.2: BEXR8.1 94.69,145.93 BEXU1.8
BEX_Net-(U1-PA9/NC): length 2.2
  Top w0.2: BEXR6.1 82.86,144.32 BEXU1.19
BEX_Net-(U1-PA10/NC): length 2.3
  Top w0.2: BEXU1.21 83.25,142.72 BEXR7.1
BEX_P1: length 14.3
  Top w0.2: BEXU1.23 82.36,141.12 78,145.48 78,151
BEX_P2: length 8.4
  Top w0.2: 80.54,151 80.54,151.13 81.2,150.47 81.2,148.18 84.25,145.12 BEXU1.18
BEX_P3: length 5.1
  Top w0.2: 83.08,151 83.08,150.59 BEXU1.16
BEX_P4: length 4.9
  Top w0.2: BEXU1.14 87.97,148.97 85.95,151 85.62,151
BEX_P5: length 4.3
  Top w0.2: BEXU1.12 89.58,149.32 88.16,150.74 88.16,151
BEX_P6: length 3.9
  Top w0.2: 90.7,151 91.17,150.53 BEXU1.10
BEX_P7: length 19.1
  Top w0.2: BEXU1.3 97.42,141.93 100.42,144.93 100.42,146.82 98,149.25 94.99,149.25 93.24,151
